# Altium PCB focDriver.PcbDoc (part 1 of 2) (continued)
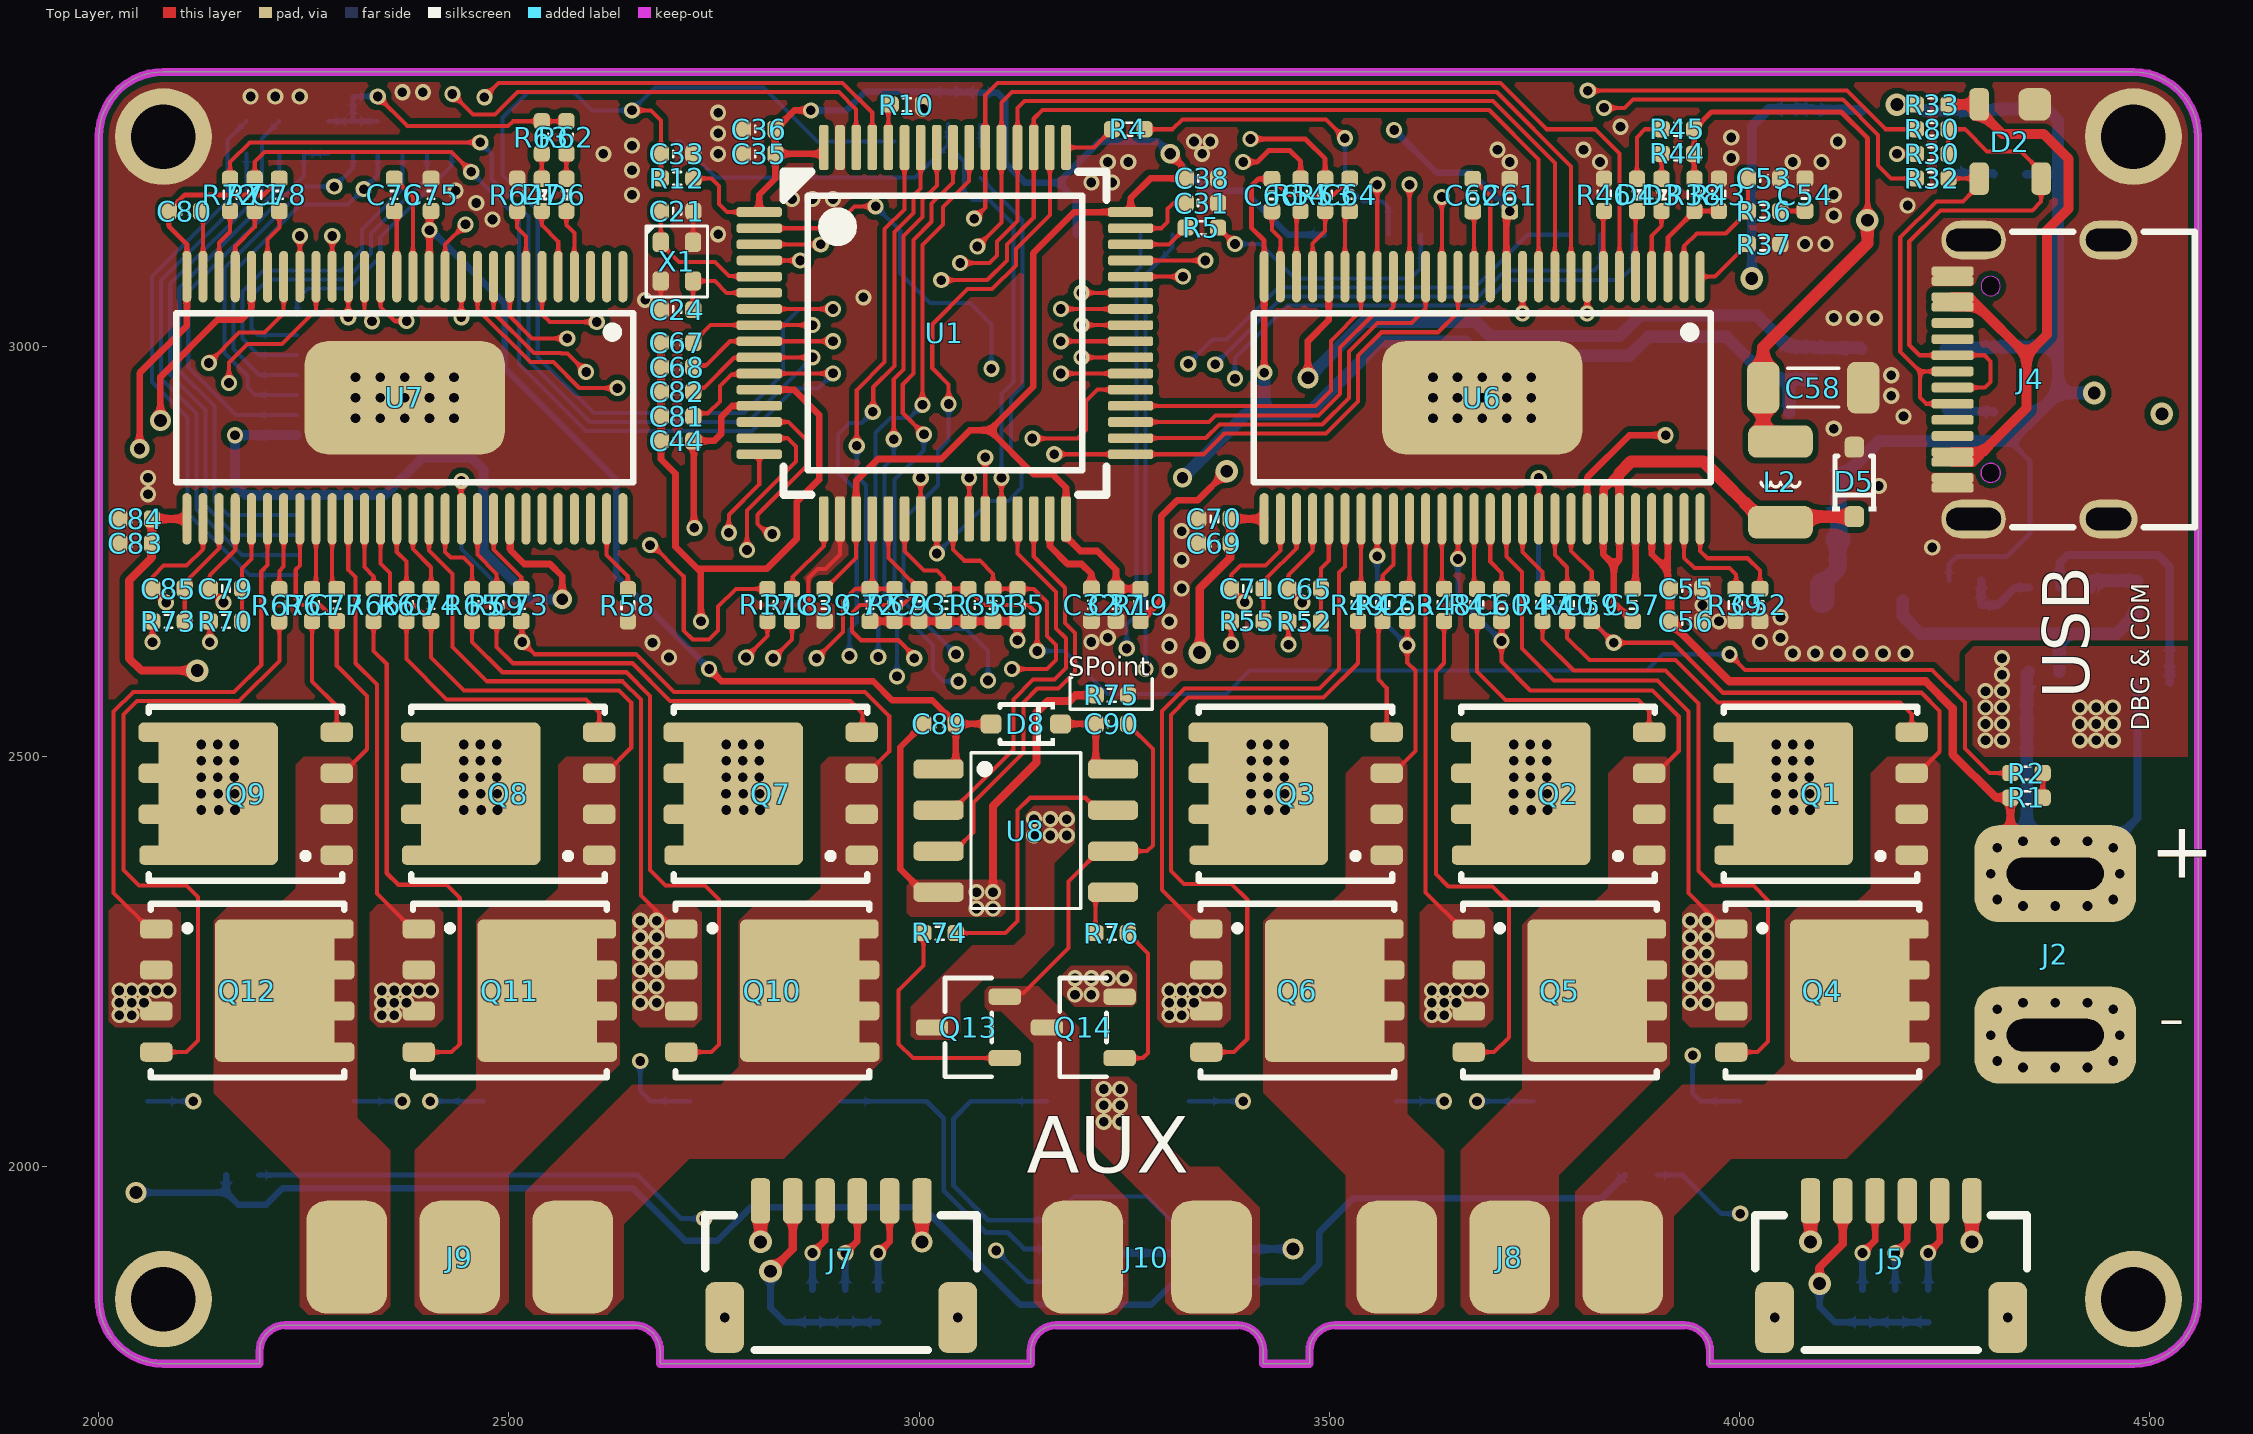
[diagram p0: Top Layer view]
## Footprints (in the part's own frame and the unit in brackets; to place one, negate y for a bottom-side part, rotate by r counter-clockwise, add the part's x,y. Pads: shape width x height; smd on the part's side, far side on the other; paste and mask are expansions set on the pad) (continued)

## Part data
C1 C2 C3 C4 C5 C6 C7 C8 C9 C10 C11 C12 C13 C14 C15 C16 C17 C18 C19 C20 C21 C22 C23 C24 C25 C26 C27 C28 C29 C30 C31 C32 C33 C34 C35 C36 C37 C38 C39 C40 C41 C42 C43 C44 C45 C46 C47 C48 C49 C50 C51 C52 C53 C54 C55 C56 C57 C59 C60 C61 C62 C63 C64 C65 C66 C67 C68 C69 C70 C71 C72 C73 C74 C75 C76 C77 C78 C79 C80 C81 C82 C83 C84 C85 C86 C87 C88 C89 C90 C91 C92 C93: library part CAP, "贴片电容", JLCPCB Part Class="Extended Part", LCSC Part Name="1uF ±10% 10V", Manufacturer=SAMSUNG(三星), Manufacturer Part=CL05A105KP5NNND, Temperature Coefficient=X5R, Tolerance=±10%, Voltage Rated=10V, Add into BOM=yes, Convert to PCB=yes, Datasheet=https://atta.szlcsc.com/upload/public/pdf/source/20181009/C307414_0A02B57115E94FED95F0CB1E32115BFC.pdf, Device=cap-0402, Supplier=LCSC, Supplier Footprint=0402, Supplier Part=C307414, Symbol=CAP-0402
C58: library part CAP+, "贴片型铝电解电容，50V", JLCPCB Part Class="Extended Part", LCSC Part Name="1uF ±10% 10V", Manufacturer=SAMSUNG(三星), Manufacturer Part=CL05A105KP5NNND, Temperature Coefficient=X5R, Tolerance=±10%, Voltage Rated=10V, Add into BOM=yes, Convert to PCB=yes, Datasheet=https://atta.szlcsc.com/upload/public/pdf/source/20181009/C307414_0A02B57115E94FED95F0CB1E32115BFC.pdf, Device=cap-0402, Supplier=LCSC, Supplier Footprint=0402, Supplier Part=C307414, Symbol=CAP-0402
D1 D3 D4 D6 D7: "贴片发光二极管", JLCPCB Part Class="Extended Part", LCSC Part Name="1uF ±10% 10V", Manufacturer=SAMSUNG(三星), Manufacturer Part=CL05A105KP5NNND, Temperature Coefficient=X5R, Tolerance=±10%, Voltage Rated=10V, Add into BOM=yes, Convert to PCB=yes, Datasheet=https://atta.szlcsc.com/upload/public/pdf/source/20181009/C307414_0A02B57115E94FED95F0CB1E32115BFC.pdf, Device=cap-0402, Supplier=LCSC, Supplier Footprint=0402, Supplier Part=C307414, Symbol=CAP-0402
D2: "USB-三组 瞬态移植二极管"
D5: library part DIO, "肖特基二极管", JLCPCB Part Class="Extended Part", LCSC Part Name="1uF ±10% 10V", Manufacturer=SAMSUNG(三星), Manufacturer Part=CL05A105KP5NNND, Temperature Coefficient=X5R, Tolerance=±10%, Voltage Rated=10V, Add into BOM=yes, Convert to PCB=yes, Datasheet=https://atta.szlcsc.com/upload/public/pdf/source/20181009/C307414_0A02B57115E94FED95F0CB1E32115BFC.pdf, Device=cap-0402, Supplier=LCSC, Supplier Footprint=0402, Supplier Part=C307414, Symbol=CAP-0402
D8: library part DIO, "通用二极管", JLCPCB Part Class="Extended Part", LCSC Part Name="1uF ±10% 10V", Manufacturer=SAMSUNG(三星), Manufacturer Part=CL05A105KP5NNND, Temperature Coefficient=X5R, Tolerance=±10%, Voltage Rated=10V, Add into BOM=yes, Convert to PCB=yes, Datasheet=https://atta.szlcsc.com/upload/public/pdf/source/20181009/C307414_0A02B57115E94FED95F0CB1E32115BFC.pdf, Device=cap-0402, Supplier=LCSC, Supplier Footprint=0402, Supplier Part=C307414, Symbol=CAP-0402
J1 J3 J5 J6 J7 J9: "线对板连接器"
J2 J10: "连接器"
J4: library part TypeC-16P, "Type-C母座; 触点数量:16", Current Rating - Power (Max)=3A, JLCPCB Part Class="Extended Part", LCSC Part Name="Type-C 母座 卧贴", Manufacturer=kinghelm(金航标), Manufacturer Part=KH-TYPE-C-16P, Operating Temperature Range=-40~+85, Add into BOM=yes, Connector Type=Type-C, Convert to PCB=yes, Datasheet=https://atta.szlcsc.com/upload/public/pdf/source/20200911/C709357_AA8DCEB38BB20E3035A7ED7AE7667837.pdf, Gender=母座, Mounting Style=卧贴, Number of Contacts=16, Number of Ports=1, Standard=-, Supplier=LCSC, Supplier Footprint=SMD, Supplier Part=C709357, Symbol=KH-TYPE-C-16P
J8: library part HC-3P-1.0mm, "线对板连接器"
L1 L2: library part IND, "贴片电感"
Q1 Q2 Q3 Q4 Q5 Q6 Q7 Q8 Q9 Q10 Q11 Q12 Q13 Q14: library part NMOS, "N沟道功率mos管", Continuous Drain Current (Id)=4.2A, Drain Source On Resistance (RDS(on)@Vgs,Id)=50mΩ@10V,4.1A, Drain Source Voltage (Vdss)=30V, Gate Threshold Voltage (Vgs(th)@Id)=2V@250uA, JLCPCB Part Class=扩展库, LCSC Part Name="P沟道 30V 4.2A", Manufacturer=BORN(伯恩半导体), Manufacturer Part=AO3401A, Power Dissipation (Pd)=1.4W, Add into BOM=yes, Convert to PCB=yes, Datasheet=https://atta.szlcsc.com/upload/public/pdf/source/20190514/C306862_F7EF2FFF49BA48EA0D342955B5285B33.pdf, Device=AO3401A_C306862, Name=AO3401A, Supplier=LCSC, Supplier Footprint=SOT-23, Supplier Part=C306862, Symbol=AO3401A_C306862, Type=P沟道
R1 R34 R56: library part NTC, "热敏电阻", JLCPCB Part Class=基础库, LCSC Part Name="1k ±1%", Manufacturer=UNI-ROYAL(厚声), Manufacturer Part=0402WGF1001TCE, Operating Temperature Range=-55~+155, Overload Voltage (Max)=50V, Power(Watts)=1/16W, Temperature Coefficient=±100ppm/, Tolerance=±1%, Add into BOM=yes, Convert to PCB=yes, Datasheet=https://atta.szlcsc.com/upload/public/pdf/source/20200306/C422600_1E6D84923E4A46A82E41ADD87F860B5C.pdf, Device=res-0402, Supplier=LCSC, Supplier Footprint=0402, Supplier Part=C11702, Symbol=RES-0402, Type=厚膜电阻
R2 R3 R4 R5 R6 R7 R8 R9 R10 R11 R12 R13 R14 R15 R16 R17 R18 R19 R20 R21 R22 R23 R24 R25 R26 R27 R28 R29 R30 R31 R32 R33 R35 R36 R37 R38 R39 R40 R41 R42 R43 R44 R45 R46 R47 R48 R49 R52 R53 R54 R55 R57 R58 R59 R60 R61 R62 R63 R64 R65 R66 R67 R68 R69 R70 R71 R72 R73 R75 R78 R80: library part RES, "贴片电阻", JLCPCB Part Class=基础库, LCSC Part Name="1k ±1%", Manufacturer=UNI-ROYAL(厚声), Manufacturer Part=0402WGF1001TCE, Operating Temperature Range=-55~+155, Overload Voltage (Max)=50V, Power(Watts)=1/16W, Temperature Coefficient=±100ppm/, Tolerance=±1%, Add into BOM=yes, Convert to PCB=yes, Datasheet=https://atta.szlcsc.com/upload/public/pdf/source/20200306/C422600_1E6D84923E4A46A82E41ADD87F860B5C.pdf, Device=res-0402, Supplier=LCSC, Supplier Footprint=0402, Supplier Part=C11702, Symbol=RES-0402, Type=厚膜电阻
R50: library part RES, "贴片电阻 2512", JLCPCB Part Class=基础库, LCSC Part Name="1k ±1%", Manufacturer=UNI-ROYAL(厚声), Manufacturer Part=0402WGF1001TCE, Operating Temperature Range=-55~+155, Overload Voltage (Max)=50V, Power(Watts)=1/16W, Temperature Coefficient=±100ppm/, Tolerance=±1%, Add into BOM=yes, Convert to PCB=yes, Datasheet=https://atta.szlcsc.com/upload/public/pdf/source/20200306/C422600_1E6D84923E4A46A82E41ADD87F860B5C.pdf, Device=res-0402, Supplier=LCSC, Supplier Footprint=0402, Supplier Part=C11702, Symbol=RES-0402, Type=厚膜电阻
R51 R79: library part RES, "贴片电阻 / 2512", JLCPCB Part Class=基础库, LCSC Part Name="1k ±1%", Manufacturer=UNI-ROYAL(厚声), Manufacturer Part=0402WGF1001TCE, Operating Temperature Range=-55~+155, Overload Voltage (Max)=50V, Power(Watts)=1/16W, Temperature Coefficient=±100ppm/, Tolerance=±1%, Add into BOM=yes, Convert to PCB=yes, Datasheet=https://atta.szlcsc.com/upload/public/pdf/source/20200306/C422600_1E6D84923E4A46A82E41ADD87F860B5C.pdf, Device=res-0402, Supplier=LCSC, Supplier Footprint=0402, Supplier Part=C11702, Symbol=RES-0402, Type=厚膜电阻
R74 R76 R77: library part RES, "贴片电阻0603", JLCPCB Part Class=基础库, LCSC Part Name="1k ±1%", Manufacturer=UNI-ROYAL(厚声), Manufacturer Part=0402WGF1001TCE, Operating Temperature Range=-55~+155, Overload Voltage (Max)=50V, Power(Watts)=1/16W, Temperature Coefficient=±100ppm/, Tolerance=±1%, Add into BOM=yes, Convert to PCB=yes, Datasheet=https://atta.szlcsc.com/upload/public/pdf/source/20200306/C422600_1E6D84923E4A46A82E41ADD87F860B5C.pdf, Device=res-0402, Supplier=LCSC, Supplier Footprint=0402, Supplier Part=C11702, Symbol=RES-0402, Type=厚膜电阻
SW1 SW2: library part Switch, "3*4两脚贴片不带柱", Actuator/Cap Color=黑色, Contact Current=50mA, Insulation Resistance=100M, JLCPCB Part Class="Extended Part", LCSC Part Name="3*4 两脚小龟不带柱  250gf", Manufacturer=BRIGHT(博瑞泰), Manufacturer Part=TSA343G00-250J2, Operating Force=250gf@±50gf, Operating Temperature=-25~+70, Voltage Rating (DC)=12V, Actuator Style=圆形按钮, Add into BOM=yes, Circuit=单刀单掷, Convert to PCB=yes, Datasheet=https://atta.szlcsc.com/upload/public/pdf/source/20190426/C354946_6B70DFBDFA823D17B8EB46FB9599F693.pdf, Device=3*4两脚按键不带柱, Mechanical Life=50000, Mounting Style=立贴, Pin Style=SMD接片, Strike Gundam=否, Supplier=LCSC, Supplier Footprint=SMD, Supplier Part=C354946, Switch Height=2mm, Switch Length=3.95mm, Switch Width=2.9mm, Symbol=TSA343G00-250J2, With Lamp=无
U1: "ST,MCU,CPU内核：ARM Cortex-M4 CPU最大主频：168MHz 程序存储容量：512KB 程序存储器类型：FLASH RAM总容量：192KB"
U2: "降压DCDC / 输入4.5~28V  / 输出596mV~28V / 3A"
U3 U4: "LDO输入电压:16V;输出电压:3.3V", Dropout Voltage=700mV@(500mA), JLCPCB Part Class="Extended Part", LCSC Part Name="Vin=16V Vout=3.3V 500mA 70dB", Manufacturer=MaxLinear, Maximum Input Voltage=16V, Output Current=500mA, Output Voltage=3.3V, Power Supply Rejection Ratio (PRSS)=70dB, Add into BOM=yes, Convert to PCB=yes, Datasheet=https://atta.szlcsc.com/upload/public/pdf/source/20160421/1461205045150.pdf, Manufacturer Part=SPX3819M5-L-3-3/TR, Number of Outputs=1, Output Polarity=正, Output Type=固定, Supplier=LCSC, Supplier Footprint=SOT-23-5, Supplier Part=C9055, Symbol=SPX3819M5-L-3-3/TR
U5: library part OLED
U6 U7: "三相电机/栅极驱动IC"
U8: "栅极驱动IC / Infineon / SOP-8"
U9: library part INA181Ax, "电流感应放大器 / TI(德州仪器)"
X1: library part XTAL, "无源晶振  频率公差：±10ppm"

## Free pads (board coordinates)
  round 118.11 hole 78.74 mask+4: ""(2078.74,1838.74) ""(2078.74,3256.06) ""(4480.31,1838.74) ""(4480.31,3256.06)

## Via types
v1: diameter 19.68, hole 11.81, Top Layer to Bottom Layer, tented both sides, 438 vias
v2: diameter 27.56, hole 15.75, Top Layer to Bottom Layer, tented both sides, 13 vias
v3: diameter 25.59, hole 15.75, Top Layer to Bottom Layer, tented both sides, 5 vias
v4: diameter 23.62, hole 13.78, Top Layer to Bottom Layer, tented both sides, 4 vias

## Nets (pads, with @x,y where several pads share a name; then routed paths per layer and width w, separated by ;. In a path a pad name is that pad's centre, name@x,y a point inside that pad or via, vN(x,y) a via of type N, cw(c..) or ccw(c..) an arc to the next point about the centre after c; other vN are vias at no path point)
5V: C25.1 C26.1 C27.1 C28.1 C40.1 C41.1 C58.1 J5.1 J7.1 L1.2 L2.2 R8.2 R14.2 R16.2 R33.2 R38.2 R44.1 R45.1 U3.1 U4.1 | length 5333
  Top Layer w6: R38.2@3945,3204.68 3944.84,3204.84 3944.84,3264.84 R45.1@3944.68,3265 3965.68,3286 4124,3286 4156.2,3253.8 v2@4156.2,3154.2
  Top Layer w15: v2(2806.57,1908.57) J7.1@2806.57,1958.62 ; L2.2@4028.98,2896.22 C58.1@4028.98,2950 4028.98,2998.98 4156,3126 v2(4156,3154) ; v2(4086.57,1908.57) J5.1@4086.57,1958.62 ; v2(4192,3295) R33.2@4215.31,3295
  Top Layer w20: L2.2@4028.98,2896.22 4040.98,2884.21 L2.2@4050,2884.21
  Power w15: v2(2806.57,1908.57) 2806.57,1946.57 2865,2005 4046,2005 4086.57,1964.43 ; v2(4086.57,1908.57) 4086.57,1964.43 ; v2(4156,3154) 4156,3260 v2@4191,3295 ; v2(4432.53,2943.47) 4522.56,2853.44 4522.56,2042.56 4444.43,1964.43 4086.57,1964.43
  Bottom Layer w6: R8.2@4255.31,2715 4255.31,2734.32 4265,2744 4326,2744 4354,2772 4354,2860.84 4329.84,2885
  Bottom Layer w10: R16.2@4349.69,3210 4387.31,3210 4388.31,3211
  Bottom Layer w15: C26.1@4120.63,2825 4128.65,2833.02 4128.65,2843.65 4170,2885 4329.84,2885 4349.69,2904.84 ; v2(4192,3295) 4216,3295 4223.17,3287.83 4250.77,3287.83 U4.1@4251.2,3287.4 4252.19,3288.39 4309.02,3288.39 C40.1@4310,3289.37 ; U3.1@4251.2,2997.4 4252.34,2998.54 4308.86,2998.54 C27.1@4310,2999.68 C28.1@4350,2999.68 4388.31,2999.68 ; C40.1@4310.16,3289.53 4349.84,3289.53 C41.1@4350,3289.68 4374.31,3289.68 4388.31,3275.68 4388.31,3211 4388.31,2999.68 ; v2(4432.53,2943.47) 4388.31,2943.47 ; 4349.69,2904.84 4364.84,2920 ; 4349.69,2904.84 R14.2@4349.69,2920 4364.84,2920 ; 4364.84,2920 4388.31,2943.47 ; 4388.31,2943.47 4388.31,2999.68
  Bottom Layer w20: L1.2@4100.79,2709.68 4119.88,2728.78 C25.1@4119.88,2764.25 ; C25.1@4120.63,2765 C26.1@4120.63,2815
  Bottom Layer w30: L1.2@4100.79,2690 L1.2@4100.79,2709.68 ; C25.1@4119.88,2764.25 C25.1@4120.63,2765
AGND: C1.2 C29.2 C30.2 C44.2 C51.2 C64.1 C66.2 C67.2 C68.2 C72.2 C78.1 C80.2 C81.2 C82.2 C91.1 C93.1 R3.1 R15.1 R35.1 R57.1 U1.12 U6.28 U7.28 U9.2 U9.5 | length 6858.7
  Top Layer w5: C66.2@3430,3204.37 3430.39,3204.37 3449.76,3185 3504.92,3185 3524.61,3204.68 C64.1@3525,3204.68
  Top Layer w6: U7.28@2107.24,3085.32 2107.24,3124.76 2085.32,3146.68 C80.2@2085.32,3165 2085.32,3165.39 2104.92,3185 2200.88,3185 ; 2200.88,3184.92 C78.1@2220,3204.04 ; U6.28@3420.63,3085.32 3420.63,3129.37 3405,3145 3405,3196 3413.37,3204.37 C66.2@3430,3204.37
  Top Layer w8: v4(2049.66,2875.34) 2049.66,2967.66 2107.24,3025.24 U7.28@2107.24,3085.32 ; C67.2@2685.32,3005 C68.2@2685.32,2975 C82.2@2685.32,2945 C81.2@2685.32,2915 C44.2@2685.32,2885 2685.32,2862.68 2703,2845 2703,2756 2730,2729 ; v1(2734,2665) 2734,2725 2730,2729 ; U1.12@2805.05,2947.47 2847.53,2947.47 2878,2917 2878,2838 2851,2811 2851,2766 2814,2729 2730,2729 ; C72.2@2940,2665.32 R57.1@2970,2665.32 C93.1@3000,2665.32 C1.2@3030,2665.32 R3.1@3060,2665.32 C51.2@3090,2665.32 R35.1@3120,2665.32 v1@3120,2643 ; v1(3420.63,2968.25) U6.28@3420.63,3085.32
  Power w10: v4(2049.66,2875.34) 2034,2859.68 2034,2368.63 2139,2263.63 2139,2141.37 2084,2086.37 2084,2035 2128,1991 2657,1991 2702,1946 2702,1875 2737,1840 3087,1840 3147,1900 v3(3456,1900)
  Power w15: v4@2047.34,2873.69 2075.31,2873.69 2214,2735 2475,2735 2545,2665 v1(2734,2665) 3121,2665 ; v1(3120,2642) 3120,2664 3121,2665 ; v4(3321,2840) 3146,2665 3121,2665
  Bottom Layer w10: U9.2@3248.8,1895 U9.5@3351.2,1895 3355.89,1899.68 C91.1@3405,1899.68 3405.16,1899.84 3455.84,1899.84 v3(3456,1900)
  Bottom Layer w15: v4(3321,2840) 3398.63,2917.63 3420.63,2917.63 ; v1(3420.63,2968.25) 3420.63,2917.63 ; R15.1@4060.63,2920 4060.32,2920.32 4060.32,2960 C29.2@4060,2960.32 ; C30.2@4090,2960.32 C29.2@4060,2960.32 ; 3420.63,2917.63 3473.63,2917.63 3562,3006 3666.3,3006 3683.3,2989 3866,2989 3889,3012 3984,3012 4035.68,2960.32 C29.2@4060,2960.32
AUX_H: U1.30 U8.3 | length 521.3
  Top Layer w5: U8.3@3023.7,2385 3043,2385 3066,2408 3066,2444 3127,2505 3127,2566 3144,2583 3170,2583 3190,2603 3190,2651 3178,2663 3178,2706 3139.69,2744.31 U1.30@3139.69,2790
AUX_I: C93.2 R78.1 U1.21 | length 1149
  Top Layer w5: U1.21@2962.52,2790 2962.57,2789.95 2962.57,2742.12 C93.2@3000,2704.68 2999.61,2704.68 2979.92,2685 2928,2685 2918,2675 2918,2653 2929,2642 2975,2642 v1@2994,2623
  Gnd w5: v1@2994,2623 v1(2994,2620) 2994,2081 3093.82,1981.18 v1(3093.82,1898.18)
  Bottom Layer w5: v1(3093.82,1898.18) 3132,1860 R78.1@3155.32,1860
AUX_L: U1.29 U8.2 | length 469.1
  Top Layer w5: U8.2@3023.7,2435 3041,2435 3115,2509 3115,2570 3139,2594 3165,2594 3179,2608 3179,2644.44 3167,2656.44 3167,2701 3120,2748 U1.29@3120,2790
AVCC: C29.1 C30.1 C44.1 C91.2 R34.2 R56.2 U1.13 U3.5 U6.24 U7.24 U9.6 | length 6259.3
  Top Layer w8: v3(2075,2910) 2075,2963 2145,3033 2174,3033 2185.98,3044.98 U7.24@2185.98,3085.32 ; v1@2726,2773 2725.34,2773.66 2725.34,2884.34 C44.1@2724.68,2885 2750,2885 2759,2894 2759,2914.58 2772.21,2927.79 U1.13@2805.05,2927.79 ; v3(3474,2962) 3474,3007 3499.37,3032.37 U6.24@3499.37,3085.32
  Power w8: 2487,2758 2579,2758 2600,2779 v1(2726,2779)
  Power w10: v3(2045.39,1968.68) 2045.39,2070.39 2123,2148 2123,2257 2018,2362 2018,2886 2042,2910 v3(2075,2910) v3@2083,2910
  Power w15: v3(2075,2910) 2227,2758 2487,2758 2524.8,2720.2 3114.2,2720.2 3320,2926 3438,2926 v3(3474,2962)
  Bottom Layer w8: v3(2045.39,1968.68) 2155.32,1968.68 ; R56.2@2155.32,1990 2155.32,1968.68 ; v1(2726,2779) v1@2727.84,2777.16 ; R34.2@3860.32,1990 3832.32,1962 3529.5,1962 3488,1920.5 3488,1882 3466.32,1860.32 C91.2@3405,1860.32 3403.64,1858.96 3352.56,1858.96 U9.6@3351.2,1857.6 3308.6,1857.6 3283,1832 3123,1832 3004,1951 2795,1951 2754,1910 2715,1910 2651,1974 2224,1974 2204,1954 2170,1954 2155.32,1968.68
  Bottom Layer w15: v3(3474,2962) 3542,3030 3679,3030 3696,3013 3854,3013 3879,3038 4021.29,3038 4059.61,2999.68 C29.1@4060,2999.68 C30.1@4090,2999.68 4091.14,2998.54 4147.66,2998.54 U3.5@4148.8,2997.4
DCBUS: C2.1 C3.1 C4.1 C5.1 C6.1 C7.1 C8.1 C9.1 C10.1 C11.1 C12.1 C13.1 C14.1 C15.1 C16.1 C17.1 C18.1 C19.1 C22.1 C23.1 C55.1 C56.1 C69.1 C70.1 C83.1 C84.1 C86.1 C87.1 C88.1 J2.1 Q1.3 Q2.3 Q3.3 Q7.3 Q8.3 Q9.3 Q13.3 R1.2 R6.2 U2.3 U6.29 U6.53 U6.54 U7.29 | length 2123.7
  Top Layer w5: J2.1@4330.31,2411.52 4384.35,2357.48 J2.1@4390,2357.48
  Top Layer w8: U6.53@3893.07,2790 3893.07,2746.93 3912.76,2727.24 ; C55.1@3912.76,2705 3912.76,2727.24 ; U6.54@3912.76,2790 3912.76,2727.24
  Top Layer w10: U7.29@2107.24,2790 C84.1@2064.68,2790 C83.1@2064.68,2760 2064.14,2759.45 2064.14,2742.14 2037,2715 2037,2620 2052,2605 v2(2120,2605) ; v2(3342,2627) 3342,2705 3379.14,2742.14 3379.14,2759.45 C69.1@3379.68,2760 ; C69.1@3379.68,2759.61 C70.1@3379.68,2790 U6.29@3420.63,2790 ; C56.1@3915.32,2664.61 3987.92,2592 4227.09,2592 4260,2559.09 4260,2503 4312.65,2450.35 4329.96,2450.35 R1.2@4330.31,2450 J2.1@4330.31,2411.52 ; C56.1@3915.32,2665 C55.1@3915.32,2705
  Power w15: v2(2120,2605) 2120,2521.27 2125,2516.27 v1(2125,2515) ; v2(3342,2627) 3342,2523 3350,2515 v1(3405,2515)
  Bottom Layer w10: J2.1@4465.87,2388.98 4465.87,2405.87 4485.31,2425.32 R6.2@4485.31,2590
  Bottom Layer w15: U2.3@4352.6,2603.8 4350.26,2601.46 4350.26,2403.49 4355.63,2398.12 4355.63,2396.85 J2.1@4395,2357.48
  other v1: 3140,2404 3160,2404 3180,2404 3140,2424 3160,2424 3180,2424 2125,2435 2146.07,2435 2166.07,2435 2445,2435 2466.07,2435 2486.07,2435 2765,2435 2786.07,2435 2806.07,2435 3405,2435 3426.07,2435 3446.07,2435 3725,2435 3746.07,2435 3766.07,2435 4045,2435 4066.07,2435 4086.07,2435 2124.46,2455 2145.54,2455 2165.54,2455 2444.46,2455 2465.54,2455 2485.54,2455 2764.46,2455 2785.54,2455 2805.54,2455 3404.46,2455 3425.54,2455 3445.54,2455 3724.46,2455 3745.54,2455 3765.54,2455 4044.46,2455 4065.54,2455 4085.54,2455 2125,2475 2145,2475 2165,2475 2445,2475 2465,2475 2485,2475 2765,2475 2785,2475 2805,2475 3405,2475 3425,2475 3445,2475 3725,2475 3745,2475 3765,2475 4045,2475 4065,2475 4085,2475 2125,2495 2145,2495 2165,2495 2445,2495 2465,2495 2485,2495 2765,2495 2785,2495 2805,2495 3405,2495 3425,2495 3445,2495 3725,2495 3745,2495 3765,2495 4045,2495 4065,2495 4085,2495 2145,2515 2165,2515 2445,2515 2465,2515 2485,2515 2765,2515 2785,2515 2805,2515 3425,2515 3445,2515 3725,2515 3745,2515 3765,2515 4045,2515 4065,2515 4085,2515
EN_GATE: U1.33 U6.16 U7.16 | length 1651.5
  Top Layer w5: U7.16@2343.46,3085.32 2343.46,3048.54 2360.75,3031.25 v1(2375.25,3031.25) ; v1@3172.79,2868.73 U1.33@3257.79,2868.73 3346.73,2868.73 3372,2894 3496,2894 3535.15,2933.15 3535.15,2989.15 3563.5,3017.5 3632.5,3017.5 3656.85,3041.85 U6.16@3656.85,3085.32
  Power w5: v1(2375.25,3031.25) 2412.5,2994 2472.33,2994 2571.33,2895 2882.11,2895 2962.11,2975 3055,2975 3118,2912 3147,2912 3164.79,2894.21 v1(3164.79,2868.73) ; v1@3168.79,2872.73 v1@3172.79,2868.73
GH1_A: R59.2 U7.47 | length 95
  Top Layer w5: U7.47@2461.57,2790 2461.57,2746.43 2485,2723 R59.2@2485,2704.68
GH1_B: R60.2 U7.42 | length 91
  Top Layer w5: U7.42@2363.15,2790 2363.15,2749.85 2375,2738 R60.2@2375,2706.53 ; R60.2@2373.15,2706.53 R60.2@2375,2704.68
GH1_C: R61.2 U7.37 | length 88.7
  Top Layer w5: R61.2@2255,2704.68 R61.2@2256.01,2705.7 ; R61.2@2260,2704.68 2264.72,2709.41 U7.37@2264.72,2790
GH_A: R40.2 U6.47 | length 91.5
  Top Layer w5: U6.47@3774.96,2790 3774.96,2746.04 3790,2731 R40.2@3790,2704.68
GH_B: R41.2 U6.42 | length 86
  Top Layer w5: R41.2@3675,2704.68 3676.54,2706.22 U6.42@3676.54,2790
GH_C: R42.2 U6.37 | length 90.7
  Top Layer w5: R42.2@3565,2704.68 3565,2721 3578.11,2734.11 U6.37@3578.11,2790
GL1_A: R65.2 U7.45 | length 108.1
  Top Layer w5: U7.45@2422.2,2790 2422.2,2749.8 2429,2743 2444.75,2743 2455,2732.75 R65.2@2455,2704.68
GL1_B: R66.2 U7.40 | length 90
  Top Layer w5: U7.40@2323.78,2790 2323.78,2731.22 2335,2720 R66.2@2335,2704.68
GL1_C: R67.2 U7.35 | length 87.8
  Top Layer w5: R67.2@2220,2704.37 2220,2726.65 2225.35,2732 U7.35@2225.35,2790
GL_A: R47.2 U6.45 | length 95.4
  Top Layer w5: U6.45@3735.59,2790 3735.59,2749.41 3760,2725 R47.2@3760,2704.68
GL_B: R48.2 U6.40 | length 86.5
  Top Layer w5: U6.40@3637.17,2790 3637.17,2707.51 R48.2@3640,2704.68
GL_C: R49.2 U6.35 | length 86.9
  Top Layer w5: R49.2@3535,2704.68 3538.74,2708.43 U6.35@3538.74,2790
GND: C21.2 C24.2 C25.2 C26.2 C27.2 C28.2 C31.2 C32.2 C33.1 C34.1 C35.2 C36.2 C37.2 C38.2 C39.2 C40.2 C41.2 C42.2 C43.2 C47.2 C48.2 C49.2 C50.2 C52.2 C53.1 C54.1 C55.2 C56.2 C58.2 C61.1 C69.2 C70.2 C75.1 C83.2 C84.2 D2.1 D5.2 J1.2 J1.5 J1.6 J3.2 J3.5 J3.6 J4.1 J4.2 J4.3 J4.4 J4.A1 J4.A12 J4.B1 J4.B12 J5.6 J5.7 J5.8 J6.4 J6.5 J6.6 J7.6 J7.7 J7.8 pad. R9.1 R10.2 R11.1 R15.2 R26.1 R37.2 R39.2 R43.1 R46.1 R58.2 R64.1 R75.1 SW1.2 SW2.2 U1.18 U1.63 U3.2 U4.2 U5.7 U6.57 U7.57 X1.2 X1.4 | length 328.2
  Top Layer w5: X1.2@2685,3080 2685.16,3079.84 2685.16,3045.16 C24.2@2685.32,3045 C24.2@2685.47,3044.84 ; X1.4@2724.37,3127.24 2724.53,3127.4 2724.53,3164.84 C21.2@2724.68,3165 C21.2@2724.84,3165.16 ; C39.2@2884.61,2665.32 2865,2684.92 2865,2718 2876,2729 2886,2729 2903.47,2746.47 U1.18@2903.47,2790
  Top Layer w15: v3(3003.42,1908.57) J7.6@3003.42,1958.62 ; v2(4283.42,1908.57) J5.6@4283.42,1958.62
  other v1: 2762.88,1816.38 3047.12,1816.38 4042.88,1816.38 4327.12,1816.38 3305,2605 2695,2621 4065,2626 4092.5,2626 4120,2626 4147.5,2626 4175,2626 4202.5,2626 3305,2635 2675,2639 3210,2640 4025,2640 3230,2645 4050,2645 3305,2665 3975,2665 4050,2670 3955,2685 3320,2705 3320,2740 4235,2755 3320,2775 2060,2820 4170,2830 2060,2840 4115,2900 2312.99,2912.65 2342.99,2912.65 2372.99,2912.65 2402.99,2912.65 2432.99,2912.65 3626.38,2912.65 3656.38,2912.65 3686.38,2912.65 3716.38,2912.65 3746.38,2912.65 4200,2915 2312.99,2937.65 2342.99,2937.65 2372.99,2937.65 2402.99,2937.65 2432.99,2937.65 3626.38,2937.65 3656.38,2937.65 3686.38,2937.65 3716.38,2937.65 3746.38,2937.65 4185,2940 2312.99,2962.65 2342.99,2962.65 2372.99,2962.65 2402.99,2962.65 2432.99,2962.65 3626.38,2962.65 3656.38,2962.65 3686.38,2962.65 3716.38,2962.65 3746.38,2962.65 4185,2965 4115,3035 4140,3035 4165,3035 2666,3057 2932,3060 4080,3125 4105,3125 2755,3137 2480,3155 4115,3160 4205,3172 2460,3175 2845,3180 2870,3180 2895,3180 2650,3185 4115,3185 2435,3190 3210,3200 3235,3200 2650,3215 3230,3225 3255,3225 3720,3225 3830,3225 4065,3225 4100,3225 3990,3230 2615,3235 2755,3235 3345,3235 3705,3240 3810,3240 2650,3245 3335,3250 3355,3250 4120,3250 3990,3255 2755,3260 3855,3268 2755,3285 3004.68,3289.84 2185,3305 2215,3305 2245,3305 2370,3310 2395,3310
GPIO_1: J6.1 U1.14 | length 1339.5
  Top Layer w5: U1.14@2805.05,2908.1 2840.9,2908.1 2862,2887 2862,2854 2803,2795 2803,2783.97 2820.53,2766.44 v1@2821,2766.44
  Power w5: v1(2821,2771.44) 2854.44,2771.44 2872,2789 3019,2789 3039,2809 3158,2809 v1(3328,2979)
  Bottom Layer w5: v1(3328,2979) 3357.69,3008.69 3374.69,3008.69 3438,3072 3677.44,3072 3741.82,3136.38 J6.1@3790.95,3136.38
GPIO_2: J6.2 U1.15 | length 1418.5
  Top Layer w5: v1@2790.07,2754.1 2790.07,2800.07 2850,2860 2850,2878 2839.58,2888.42 U1.15@2805.05,2888.42
  Power w5: v1(2790.07,2752.1) 2853,2752.1 2878.9,2778 3025,2778 3044,2797 3161.56,2797 3314.56,2950 3332.61,2950 v1(3360.97,2978.36)
  Bottom Layer w5: v1(3360.97,2978.36) 3443.61,3061 3682,3061 3714,3093 3823,3093 3830.32,3100.32 J6.2@3830.32,3136.38
GPIO_3: C34.2 J6.3 R13.1 SW2.1 U1.28 | length 1893.4
  Top Layer w5: U1.28@3100.32,2790 v1(3100.33,2840)
  Power w5: v1(3100.33,2840) 3173,2840 3298,2965 3298,2984 3322,3008 3366,3008 3385,2989 v1(3385,2961)
  Bottom Layer w5: SW2.1@2705.12,3250 2708.47,3250 2752.47,3206 2995.24,3206 3034.61,3245.37 C34.2@3035,3245.37 ; R13.1@3035,3271.32 C34.2@3035,3245.37 ; v1(3100.33,2840) 3100.33,2942.33 3115,2957 3115,3149 3085,3179 3065,3179 3055,3189 3055,3225.76 3035.39,3245.37 C34.2@3035,3245.37 ; v1(3385,2961) 3385,2986 3449,3050 3686.56,3050 3717.56,3081 3854,3081 3869.68,3096.68 J6.3@3869.68,3136.38
GVDD: C61.2 C75.2 C89.1 D8.2 U6.13 U7.13 U8.1 | length 2787.5
  Top Layer w8: U7.13@2402.52,3085.32 2403.1,3085.89 2403.1,3163.41 C75.2@2405,3165.32 ; v1(2744,2607) 2759,2592 2944,2592 2967,2569 3016.08,2569 3044.68,2540.39 C89.1@3044.68,2540 ; U8.1@3023.7,2485 3037.02,2485 3044.68,2492.67 C89.1@3044.68,2540 ; D8.2@3087.18,2539.5 D8.2@3087.68,2540 C89.1@3044.68,2540 ; U6.13@3715.91,3085.32 3715.91,3160.91 v1(3720,3165)
  Power w8: v1(2403,3142) 2403,3236 2439,3272 2564,3272 2607,3315 3528,3315 v1(3579,3264)
  Bottom Layer w8: v1@2405,3142 2495,3052 2495,2973 2631,2837 2631,2720 v1(2744,2607) ; v1(3579,3264) 3631,3212 3673,3212 v1(3720,3165)
M0_AH: U1.41 U6.17 | length 676
  Top Layer w5: v1(3197.79,3026.21) U1.41@3257.79,3026.21 ; U6.17@3637.17,3085.32 v1(3637.17,3182.43)
  Power w5: v1(3197.79,3026.21) 3239.77,3026.21 3256.56,3043 3489.8,3043 3592.8,3146 3626,3146 3637.17,3157.17 v1(3637.17,3182.43)
M0_AL: U1.34 U6.18 | length 497.3
  Top Layer w5: U1.34@3257.79,2888.42 3349.42,2888.42 3366,2905 3491.44,2905 3524,2937.56 3524,2994.26 3558.74,3029 3600.16,3029 3617.48,3046.32 U6.18@3617.48,3085.32
M0_BH: U1.42 U6.19 | length 703
  Top Layer w5: v1(3172.79,3045.89) U1.42@3257.79,3045.9 ; U6.19@3597.8,3085.32 v1(3597.8,3197.43)
  Power w5: v1(3172.79,3045.89) 3243.89,3045.89 3252,3054 3485.25,3054 3597.8,3166.55 v1(3597.8,3197.43)
M0_BL: U1.35 U6.20 | length 448.7
  Top Layer w5: U1.35@3257.79,2908.1 3353.54,2908.1 3361.44,2916 3486.89,2916 3513,2942.11 3513,2998.82 3554.18,3040 3570,3040 3578.11,3048.11 U6.20@3578.11,3085.32
M0_CH: U1.43 U6.21 | length 619.4
  Top Layer w5: v1(3197.79,3065.58) U1.43@3257.79,3065.58 ; U6.21@3558.43,3085.32 v1(3558.43,3197.43)
  Power w5: v1(3197.79,3065.58) 3481.27,3065.58 3558.43,3142.74 v1(3558.43,3197.43)
M0_CL: U1.36 U6.22 | length 405.9
  Top Layer w5: U1.36@3257.79,2927.79 3483.12,2927.79 3502,2946.67 3502,3007 3538.74,3043.74 U6.22@3538.74,3085.32
M0_CS: U1.2 U6.8 | length 1288.7
  Top Layer w5: U1.2@2805.05,3144.32 2894.32,3144.32 2921,3171 v1(2947,3171)
  Top Layer w6: v1(3814.33,3040.32) U6.8@3814.33,3085.32
  Power w5: v1(3088,2973) 3113,2973 3139,2947 3193,2947 3266,3020 3497.92,3020 3533.92,3056 3688,3056 3724,3020 3761.48,3020 3781.79,3040.32 v1(3814.33,3040.32)
  Bottom Layer w5: v1(2947,3171) 2977,3141 2977,3089 3013,3053 3062,3053 3088,3027 v1(3088,2973)
M0_DC_CAL: U1.40 U6.12 | length 729.7
  Top Layer w5: v1(3172.79,3006.53) U1.40@3257.79,3006.53
  Top Layer w6: v1(3735.59,3040.32) U6.12@3735.59,3085.32
  Power w5: v1(3172.79,3006.53) 3235.64,3006.53 3261.11,3032 3494.36,3032 3530.36,3068 3707.91,3068 v1(3735.59,3040.32)
M0_ENC_A: J5.3 R21.1 U1.56 | length 2588.3
  Top Layer w5: v1(3006,2893) 2980,2919 2980,2954 2993,2967 2993,3130 3015.21,3152.21 3015.21,3174.21 3041.26,3200.26 U1.56@3041.26,3242.74
  Top Layer w8: v1(4150,1895) 4165.31,1910.31 J5.3@4165.31,1958.62
  Gnd w5: v1(3045,2625) 3026,2606 3026,2586 3016,2576 3016,2094.44 3109.44,2001 4068.44,2001 4150,1919.44 v1(4150,1895)
  Bottom Layer w5: v1(3006,2893) 3005.66,2892.66 3005.66,2873.66 2970,2838 2970,2700 v1(3045,2625)
  Bottom Layer w8: R21.1@4150,1850 v1(4150,1895)
M0_ENC_B: J5.4 R22.1 U1.57 | length 2588.8
  Top Layer w5: v1(2969,2887) 2969,2959.89 2981,2971.89 2981,3135 3004.21,3158.21 3004.21,3179.21 3021.58,3196.58 U1.57@3021.58,3242.74
  Top Layer w8: v1(4190,1895) 4204.68,1909.68 J5.4@4204.68,1958.62
  Gnd w5: v1(3048,2592) 3027,2571 3027,2099 3114,2012 4073,2012 v1(4190,1895)
  Bottom Layer w5: v1(2969,2887) 2969,2865 2958,2854 2958,2695 3017,2636 3017,2605 3030,2592 v1(3048,2592)
  Bottom Layer w8: R22.1@4190,1850 v1(4190,1895)
M0_ENC_Z: J5.5 R23.1 U1.50 | length 2717.8
  Top Layer w5: v1(3036,2930) 3036,2954 3016,2974 3016,3027 3059,3070 3089,3070 3118,3099 3118,3119 3159.37,3160.37 U1.50@3159.37,3242.74
  Top Layer w8: v1(4230,1895) 4244.05,1909.05 J5.5@4244.05,1958.62
  Gnd w5: v1(3084,2593) 3038,2547 3038,2103.56 3118.56,2023 4077.56,2023 4177.56,1923 4202,1923 v1(4230,1895)
  Bottom Layer w5: v1(3036,2930) 3036,2886 3023,2873 3023,2831 2981,2789 2981,2704.56 3029.56,2656 3057,2656 3084,2629 v1(3084,2593)
  Bottom Layer w8: R23.1@4230,1850 v1(4230,1895)
M0_SO1: C67.1 R53.1 U1.8 | length 918.7
  Top Layer w5: C67.1@2724.68,3005 2724.68,3005.39 2745.5,3026.21 U1.8@2805.05,3026.21 v1@2865.05,3026.21
  Top Layer w6: v1(3404,3253) 3471,3253 3495,3229 R53.1@3495,3204.68
  Power w5: v1@2865.05,3026.21 3078.21,3026.21 3151,3099 3250,3099 3371,3220 3371,3239 3385,3253 v1(3404,3253)
  other v1: 2870.05,3026.21
M0_SO2: C68.1 R54.1 U1.9 | length 876.4
  Top Layer w5: C68.1@2724.68,2975 2726.7,2977.01 2740.01,2977.01 2769.53,3006.53 U1.9@2805.05,3006.53 v1@2890.05,3006.53
  Top Layer w6: v1(3395,3225) 3412,3225 3426,3239 3452,3239 3465,3226 R54.1@3465,3204.68
  Power w5: v1@2890.05,3006.53 2917.53,3006.53 2926.21,3015.21 3083.47,3015.21 3155.76,3087.5 3257.5,3087.5 v1(3395,3225)
  other v1: 2895.05,3006.53
M0_TEMP: C51.1 R34.1 R35.2 U1.25 | length 2181.3
  Top Layer w5: U1.25@3041.26,2790 3041.26,2752.74 3055,2739 3074,2739 3090,2723 C51.1@3090,2704.68 3139.7,2704.68 3156,2688.38 3156,2647 3167,2636 3167,2618 3156,2607 v1(3113,2607)
  Gnd w5: v1@3113,2605 3071,2647 3035,2647 3014.72,2626.72 3014.72,2591.72 3005,2582 3005,2089.89 3104.89,1990 3981,1990 4001,1970 v1(4001,1943)
  Bottom Layer w6: R34.1@3899.68,1990 3931,1990 3978,1943 v1(4001,1943)
M1_AH: U1.37 U7.17 | length 1410.8
  Top Layer w5: U7.17@2323.72,3085.72 2323.72,3041.27 2333,3032 v1(2333,3031) ; v1(3138,2888) 3193,2888 3203.5,2898.5 3203.5,2933.5 3217.47,2947.47 U1.37@3257.79,2947.47
  Power w5: v1(2333,3031) 2312,3010 2255.56,3010 2234,2988.44 2234,2881 2302,2813 2566,2813 2586,2833 2950,2833 2979,2862 3039,2862 3065,2888 v1(3138,2888)
M1_AL: U1.23 U7.18 | length 1141.6
  Top Layer w5: v1(2304.03,3035.72) U7.18@2304.03,3085.72 ; U1.23@3001.89,2790 v1(3001.89,2840)
  Power w5: v1(2304.03,3035.72) 2289.31,3021 2251,3021 2223,2993 2223,2876.44 2298.44,2801 2570,2801 2591,2822 2958,2822 2976,2840 v1(3001.89,2840)
M1_BH: U1.38 U7.19 | length 1323
  Top Layer w5: U7.19@2284.41,3085.32 v1@2284.44,3134.88 ; v1(3172.79,2967.15) U1.38@3257.79,2967.16
  Power w5: v1(2284.47,3134.91) 2263.37,3156 2233,3156 2219.5,3142.5 2219.5,3123.5 2231,3112 2252.44,3112 2302.17,3062.28 2371.72,3062.28 2429,3005 2476.89,3005 2575.89,2906 2877.56,2906 2964.56,2993 3111,2993 3136.85,2967.15 v1(3172.79,2967.15)